# Altium PCB uTCA_MCH_PCB3.pcbdoc (part 1 of 25) (continued)
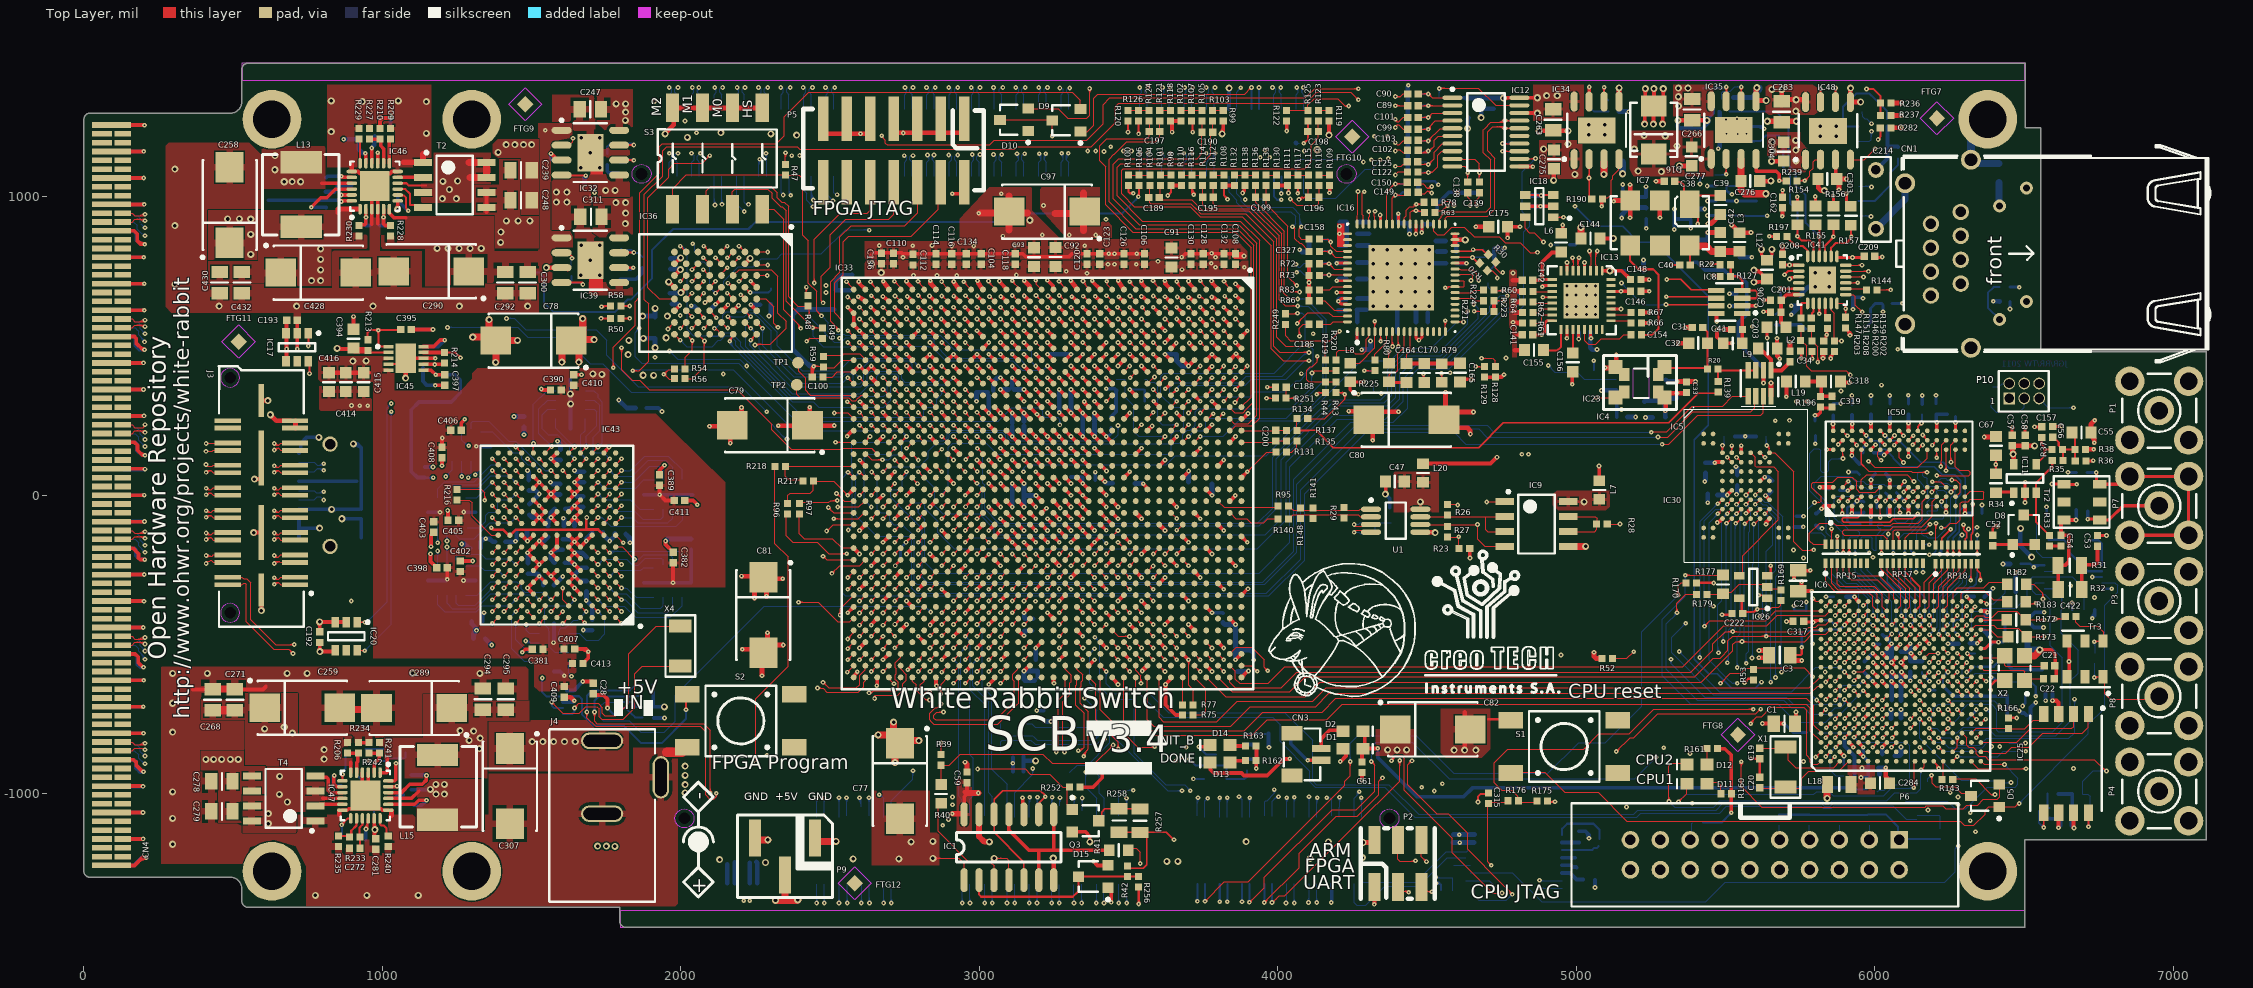
[diagram p0: Top Layer view]
## Design rules (kind name [scope] priority, off if disabled: settings) (continued)
RoomDefinition SCB_MAIN [InComponentClass('SCB_MAIN')] p22 off: confinementstyle=ConfineIn formatcopy=TRUE lockcomponents=FALSE outline -1500,-3020 500,-3020 500,-2020 -1500,-2020
RoutingVias RoutingVias_capas_internas [OnLayer('MidLayer1') or OnLayer('MidLayer2') or OnLayer('MidLayer3') or OnLayer('MidLayer4')] p1: holewidth=5.91 width=15.75 viastyle="Through Hole" minholewidth=5.91 minwidth=15.75 maxholewidth=11.81 maxwidth=23.62
RoutingVias [All] p2: holewidth=5.91 width=15.75 viastyle="Through Hole" minholewidth=5.91 minwidth=15.75 maxholewidth=11.81 maxwidth=23.62
SilkToSilkClearance [not incomponent('logo1') and incomponent('*')] p1: silktosilkclearance=1
SilkscreenOverComponentPads [All] p1: minsilkscreentomaskgap=3
SolderMaskExpansion [All] p1: expansion=2.76
ViasUnderSMD ViasUnderSMD_allow [InComponent('IC13') or  InComponent('IC41') or   InComponent('IC16') or   InComponent('IC48') or   InComponent('IC35') or   InComponent('IC34') or   InComponent('IC32') or    InComponent('IC39')] p1: allowed=TRUE
ViasUnderSMD [All] p2: allowed=FALSE
Width Width_GTX_DIFF [InDifferentialPairClass('GTX_DIFF')] p1: maxlimit=3.94 minlimit=3.54 preferedwidth=3.54 toplayer_minwidth=3.94 toplayer_prefwidth=3.94 midlayer1_maxwidth=3.54 midlayer2_maxwidth=3.54 midlayer3_maxwidth=3.54 midlayer4_maxwidth=3.54 bottomlayer_minwidth=3.94 bottomlayer_prefwidth=3.94 minimp=50.000000 maximp=50.000000 favimp=50.000000
Width Width_1 [InDifferentialPair('EXTREFIN_10M')] p2: maxlimit=10.63 minlimit=10.63 preferedwidth=10.63 minimp=50.000000 maximp=50.000000 favimp=50.000000
Width Width_Diff [(InDifferentialPairClass('All Differential Pairs'))] p3: maxlimit=3.94 minlimit=3.94 preferedwidth=3.94 minimp=50.000000 maximp=50.000000 favimp=50.000000
Width Width_PWRs&GNDs [InNetClass('PWRs&GNDs')] p4: maxlimit=39.37 minlimit=11.81 preferedwidth=12.6 toplayer_prefwidth=15.75 midlayer1_minwidth=12.6 midlayer1_maxwidth=12.6 midlayer2_minwidth=12.6 midlayer2_maxwidth=12.6 midlayer3_minwidth=12.6 midlayer3_maxwidth=12.6 midlayer4_minwidth=12.6 midlayer4_maxwidth=12.6 bottomlayer_prefwidth=15.75 minimp=50.000000 maximp=50.000000 favimp=50.000000
Width [All] p5: maxlimit=78.74 minlimit=3.94 preferedwidth=3.94 toplayer_prefwidth=6.89 bottomlayer_prefwidth=6.89 minimp=50.000000 maximp=50.000000 favimp=50.000000
18 further rules are at their usual default settings.

## Classes and differential pairs
component class U_QDRII_mem: IC43 RP2 RP4 RP6 RP7 RP10 RP12 RP14
component class U_FPGA_QDRII: R96 R97
component class U_SMI_Link_7-12: IC33 J3
differential pair class clocks_QDR2: Q2_CQ Q2_K
net class Q2_Q[35..0]: Q2_Q0 Q2_Q1 Q2_Q2 Q2_Q3 Q2_Q4 Q2_Q5 Q2_Q6 Q2_Q7 Q2_Q8 Q2_Q9 Q2_Q10 Q2_Q11 Q2_Q12 Q2_Q13 Q2_Q14 Q2_Q15 Q2_Q16 Q2_Q17 Q2_Q18 Q2_Q19 Q2_Q20 Q2_Q21 Q2_Q22 Q2_Q23 Q2_Q24 Q2_Q25 Q2_Q26 Q2_Q27 Q2_Q28 Q2_Q29 Q2_Q30 Q2_Q31 Q2_Q32 Q2_Q33 Q2_Q34 Q2_Q35
net class Q2_D[35..0]: Q2_D0 Q2_D1 Q2_D2 Q2_D3 Q2_D4 Q2_D5 Q2_D6 Q2_D7 Q2_D8 Q2_D9 Q2_D10 Q2_D11 Q2_D12 Q2_D13 Q2_D14 Q2_D15 Q2_D16 Q2_D17 Q2_D18 Q2_D19 Q2_D20 Q2_D21 Q2_D22 Q2_D23 Q2_D24 Q2_D25 Q2_D26 Q2_D27 Q2_D28 Q2_D29 Q2_D30 Q2_D31 Q2_D32 Q2_D33 Q2_D34 Q2_D35
net class Q2_BWS[3..0]: Q2_BWS0 Q2_BWS1 Q2_BWS2 Q2_BWS3
net class Q2_A[18..0]: Q2_A0 Q2_A1 Q2_A2 Q2_A3 Q2_A4 Q2_A5 Q2_A6 Q2_A7 Q2_A8 Q2_A9 Q2_A10 Q2_A11 Q2_A12 Q2_A13 Q2_A14 Q2_A15 Q2_A16 Q2_A17 Q2_A18
net class FPGA_GPIO[0..39]: FPGA_GPIO0 FPGA_GPIO1 FPGA_GPIO2 FPGA_GPIO3 FPGA_GPIO4 FPGA_GPIO5 FPGA_GPIO6 FPGA_GPIO7 FPGA_GPIO8 FPGA_GPIO9 FPGA_GPIO10 FPGA_GPIO11 FPGA_GPIO12 FPGA_GPIO13 FPGA_GPIO14 FPGA_GPIO15 FPGA_GPIO16 FPGA_GPIO17 FPGA_GPIO18 FPGA_GPIO19 FPGA_GPIO20 FPGA_GPIO21 FPGA_GPIO22 FPGA_GPIO23 FPGA_GPIO24 FPGA_GPIO25 FPGA_GPIO26 FPGA_GPIO27 FPGA_GPIO28 FPGA_GPIO29 FPGA_GPIO30 FPGA_GPIO31 FPGA_GPIO32 FPGA_GPIO33 FPGA_GPIO34 FPGA_GPIO35 FPGA_GPIO36 FPGA_GPIO37 FPGA_GPIO38 FPGA_GPIO39
component class U_uTCA_Tongue3: CN4
component class U_RS232_and_USB_ports: C240 C241 C242 C243 C244 C314 C315 IC31 R172 R173 R175 R176 R182 R183 R184 R193 R194
component class U_QDRII_power: C329 C330 C331 C332 C333 C334 C335 C336 C337 C338 C339 C340 C341 C342 C343 C344 C345 C346 C347 C348 C349 C350 C351 C352 C381 C382 C389 C390 C393 C394 C395 C396 C397 C398 C402 C403 C405 C406 C407 C408 C409 C410 C411 C412 C413 C414 C415 C416 C417 C420 C421 IC45 R212 R213 R214 R216
component class U_Power_Supply: C207 C235 C236 C237 C238 C239 C245 C246 C247 C248 C249 C250 C251 C252 C253 C254 C255 C256 C257 C258 C259 C260 C261 C262 C263 C264 C265 C266 C267 C268 C269 C270 C271 C272 C273 C274 C275 C276 C277 C278 C279 C280 C281 C282 C283 C287 C288 C289 C290 C291 C292 C293 C294 C295 C296 C297 C300 C301 C302 C303 C304 C305 C306 C307 C310 C311 C312 C322 C323 C427 C428 C429 C430 C431 C432 D3 D4 D16 IC32 IC34 IC35 IC38 IC39 IC44 IC46 IC47 IC48 L11 L13 L14 L15 R178 R180 R181 R185 R186 R188 R189 R190 R191 R204 R205 R206 R207 R209 R210 R211 R227 R228 R229 R230 R231 R232 R233 R234 R235 R236 R237 R238 R239 R240 R241 R242 R243 T2 T3 T4 T5
component class U_FPGA_POWER_DGND: C69 C70 C71 C72 C73 C74 C75 C76 C77 C78 C79 C80 C81 C82 C83 C84 C85 C86 C87 C88 L4 L5
component class U_SCB_PLLs: C89 C90 C99 C101 C102 C103 C122 C125 C138 C139 C140 C141 C142 C143 C144 C146 C148 C149 C150 C151 C152 C153 C154 C155 C156 C158 C159 C160 C161 C163 C164 C165 C167 C168 C169 C170 C171 C172 C173 C174 C175 C176 C177 C178 C180 C181 C183 C184 C185 C186 C187 C188 C309 C327 C328 C422 IC12 IC13 IC16 L6 L8 R30 R60 R61 R62 R63 R64 R65 R66 R67 R68 R69 R70 R71 R72 R73 R76 R78 R79 R80 R81 R82 R83 R84 R85 R86 R87 R88 R89 R90 R91 R92 R93 R94 R219 R220 R221 R222 R223 R224 R225 R226 R245 R246 R247 R248 R249 R255 Tr3
component class U_FPGA_GTX: C91 C92 C93 C94 C95 C96 C97 C98 C100 C104 C105 C106 C107 C108 C109 C110 C111 C112 C113 C114 C115 C116 C117 C118 C119 C120 C121 C123 C124 C126 C127 C128 C129 C130 C131 C132 C133 C134 C135 C136 C137 R59
component class U_CPU_EBI1_FPGA_Memory: C219 C220 C221 C222 C298 C299 IC6 IC25 IC26 IC30 P10 R1 R4 R75 R77 R164 R165 R166 R167 R168 R169 R170 R177 R179 R250
component class U_SCB_CLKs: C29 C30 C31 C32 C33 C34 C35 C36 C37 C38 C39 C40 C41 C42 C43 C44 C45 C46 C47 C52 C53 C54 C55 C56 C57 C58 C59 C67 C157 D8 D15 IC1 IC4 IC5 IC7 IC8 IC9 IC11 IC21 IC22 IC23 IC28 L2 L3 L7 L9 L20 Q3 R20 R21 R22 R23 R24 R25 R26 R27 R28 R29 R31 R32 R33 R34 R35 R36 R37 R38 R39 R40 R41 R42 R145 R152 R153 R252 R256 R257 R258 Tr2 U1
component class "U_External WatchDogs": C27 C28 IC2 IC3 R12 R13 R14 R15 R16 R17 R18 R19 S1 S2 X3 X4
component class U_CPU_DDR2: C223 C224 C225 C226 C227 C228 C229 C230 C231 C232 C233 C234 C316 C317 C318 C319 C320 C321 C324 C325 C326 IC50 L19 R195 R196 R198 RP15 RP16 RP17 RP18 RP19 RP20
component class U_CPU_JTAG_Power_PLL: C1 C2 C3 C4 C5 C6 C7 C8 C9 C10 C11 C12 C13 C14 C15 C16 C17 C18 C19 C20 C21 C22 C23 C24 C25 C26 C60 C61 C217 C218 C284 C285 C286 CN3 D1 D2 D5 D6 L1 L16 L17 L18 R2 R3 R5 R6 R7 R8 R9 R10 R11 R158 X1 X2
component class U_CPU_100M_Ethernet: C68 C162 C166 C201 C202 C203 C204 C205 C206 C208 C209 C210 C211 C212 C213 C214 C215 C216 IC40 IC41 L10 L12 R142 R143 R144 R146 R147 R151 R154 R155 R156 R157 R159 R171 R174 R187 R192 R197 R199 R200 R202 R203 R208 R253 R254 Tr1
component class U_Connectors: CN1 CN2 J1 J2 J4 P1 P2 P3 P4 P5 P6 P7 P8 P9
differential pair class clocks_QDR1: Q1_CQ Q1_K
differential pair class clocks_QDR: Q1_CQ Q1_K Q2_CQ Q2_K
net class PB[0..7]: PB0 PB1 PB2 PB3 PB4 PB5 PB6 PB7
net class PE[0..15]: PE0 PE1 PE2 PE3 PE4 PE5 PE6 PE7 PE8 PE9 PE10 PE11 PE12 PE13 PE14 PE15
component class U_CPU_IO_Ports: D11 D12 D13 D14 R160 R161 R162 R163
component class U_FPGA_Configuration: C62 C63 C64 C65 C66 D9 D10 IC36 Q1 Q2 R43 R44 R45 R46 R47 R48 R49 R50 R51 R52 R53 R54 R55 R56 R57 R58 S3 TP1 TP2
component class U_FPGA_System_Monitor: C189 C190 C191 C192 C193 C194 C195 C196 C197 C198 C199 C200 IC17 IC18 IC19 IC20 R98 R99 R100 R101 R102 R103 R104 R105 R106 R107 R108 R109 R110 R111 R112 R113 R114 R115 R116 R117 R118 R119 R120 R121 R122 R123 R124 R125 R126 R127 R128 R129 R130 R131 R132 R133 R134 R135 R136 R137 R138 R139 R251
differential pair class GTX_DIFF: CLK0 MGTREFCLK112 MGTREFCLK113 MGTREFCLK114 MGTREFCLK115 MGTREFCLK116 MGTRX112_0 MGTRX112_1 MGTRX112_2 MGTRX112_3 MGTRX113_0 MGTRX113_1 MGTRX113_2 MGTRX113_3 MGTRX114_0 MGTRX114_1 MGTRX114_2 MGTRX114_3 MGTRX115_0 MGTRX115_1 MGTRX115_2 MGTRX115_3 MGTRX116_0 MGTRX116_1 MGTRX116_2 MGTRX116_3 MGTTX112_0 MGTTX112_1 MGTTX112_2 MGTTX112_3 MGTTX113_0 MGTTX113_1 MGTTX113_2 MGTTX113_3 MGTTX114_0 MGTTX114_1 MGTTX114_2 MGTTX114_3 MGTTX115_0 MGTTX115_1 MGTTX115_2 MGTTX115_3 MGTTX116_0 MGTTX116_1 MGTTX116_2 MGTTX116_3 SERDES_CLK SYNC_CLK
component class SCB_MAIN: FTG1 FTG2 FTG3 FTG4 FTG5 FTG6 FTG7 FTG8 FTG9 FTG10 FTG11 FTG12
component class U_Peripherals_Control: R95 R140 R141 R148 R217 R218
differential pair PLL_CLKS.REF_CLK: +PLL_CLKS.REF_CLK_P -PLL_CLKS.REF_CLK_N
differential pair AUX_CLK: +AUX_CLK_P -AUX_CLK_N
differential pair MINIBACKPLANE_CLK: +MINIBACKPLANE_CLK_P -MINIBACKPLANE_CLK_N
differential pair UTCA_CLK.UTCA_TONGUE2_CLK2: +UTCA_CLK.UTCA_TONGUE2_CLK2_P -UTCA_CLK.UTCA_TONGUE2_CLK2_N
differential pair UTCA_CLK.UTCA_TONGUE2_CLK1: +UTCA_CLK.UTCA_TONGUE2_CLK1_P -UTCA_CLK.UTCA_TONGUE2_CLK1_N
differential pair TXFD12: +TXFD12_P -TXFD12_N
differential pair TXFD11: +TXFD11_P -TXFD11_N
differential pair TXFD10: +TXFD10_P -TXFD10_N
differential pair TXFD9: +FREE_MRCC_P -FREE_MRCC_N
differential pair TXFD8: +TXFD9_P -TXFD9_N
differential pair TXFD7: +TXFD8_P -TXFD8_N
differential pair TXFD6: +TXFD6_P -TXFD6_N
differential pair TXFD5: +TXFD5_P -TXFD5_N
differential pair TXFD4: +TXFD4_P -TXFD4_N
differential pair TXFD3: +TXFD3_P -TXFD3_N
differential pair TXFD2: +TXFD2_P -TXFD2_N
differential pair TXFD1: +TXFD1_P -TXFD1_N
differential pair RXFD12: +RXFD12_P -RXFD12_N
differential pair RXFD11: +RXFD11_P -RXFD11_N
differential pair RXFD10: +RXFD10_P -RXFD10_N
differential pair RXFD8: +RXFD8_P -RXFD8_N
differential pair RXFD7: +RXFD7_P -RXFD7_N
differential pair RXFD6: +RXFD6_P -RXFD6_N
differential pair RXFD5: +RXFD5_P -RXFD5_N
differential pair RXFD4: +RXFD4_P -RXFD4_N
differential pair RXFD3: +RXFD3_P -RXFD3_N
differential pair RXFD2: +RXFD2_P -RXFD2_N
differential pair RXFD1: +RXFD1_P -RXFD1_N
differential pair Q2_K: +Q2_K_P -Q2_K_N
differential pair Q2_CQ: +Q2_CQ_P -Q2_CQ_N
differential pair MGTTX116_3: +MGTTX116_3_P -MGTTX116_3_N
differential pair MGTTX116_2: +MGTTX116_2_P -MGTTX116_2_N
differential pair MGTTX116_1: +MGTTX116_1_P -MGTTX116_1_N
differential pair MGTTX116_0: +MGTTX116_0_P -MGTTX116_0_N
differential pair MGTTX115_3: +MGTTX115_3_P -MGTTX115_3_N
differential pair MGTTX115_2: +MGTTX115_2_P -MGTTX115_2_N
differential pair MGTTX115_1: +MGTTX115_1_P -MGTTX115_1_N
differential pair MGTTX115_0: +MGTTX115_0_P -MGTTX115_0_N
differential pair MGTTX114_3: +MGTTX114_3_P -MGTTX114_3_N
differential pair MGTTX114_2: +MGTTX114_2_P -MGTTX114_2_N
differential pair MGTTX114_1: +MGTTX114_1_P -MGTTX114_1_N
differential pair MGTTX114_0: +MGTTX114_0_P -MGTTX114_0_N
differential pair MGTTX113_3: +MGTTX113_3_P -MGTTX113_3_N
differential pair MGTTX113_2: +MGTTX113_2_P -MGTTX113_2_N
differential pair MGTTX113_1: +MGTTX113_1_P -MGTTX113_1_N
differential pair MGTTX113_0: +MGTTX113_0_P -MGTTX113_0_N
differential pair MGTTX112_3: +MGTTX112_3_P -MGTTX112_3_N
differential pair MGTTX112_2: +MGTTX112_2_P -MGTTX112_2_N
differential pair MGTTX112_1: +MGTTX112_1_P -MGTTX112_1_N
differential pair MGTTX112_0: +MGTTX112_0_P -MGTTX112_0_N
differential pair MGTRX116_3: +MGTRX116_3_P -MGTRX116_3_N
differential pair MGTRX116_2: +MGTRX116_2_P -MGTRX116_2_N
differential pair MGTRX116_1: +MGTRX116_1_P -MGTRX116_1_N
differential pair MGTRX116_0: +MGTRX116_0_P -MGTRX116_0_N
differential pair MGTRX115_3: +MGTRX115_3_P -MGTRX115_3_N
differential pair MGTRX115_2: +MGTRX115_2_P -MGTRX115_2_N
differential pair MGTRX115_1: +MGTRX115_1_P -MGTRX115_1_N
differential pair MGTRX115_0: +MGTRX115_0_P -MGTRX115_0_N
differential pair MGTRX114_3: +MGTRX114_3_P -MGTRX114_3_N
differential pair MGTRX114_2: +MGTRX114_2_P -MGTRX114_2_N
differential pair MGTRX114_1: +MGTRX114_1_P -MGTRX114_1_N
differential pair MGTRX114_0: +MGTRX114_0_P -MGTRX114_0_N
differential pair MGTRX113_3: +MGTRX113_3_P -MGTRX113_3_N
differential pair MGTRX113_2: +MGTRX113_2_P -MGTRX113_2_N
differential pair MGTRX113_1: +MGTRX113_1_P -MGTRX113_1_N
differential pair MGTRX113_0: +MGTRX113_0_P -MGTRX113_0_N
differential pair MGTRX112_3: +MGTRX112_3_P -MGTRX112_3_N
differential pair MGTRX112_2: +MGTRX112_2_P -MGTRX112_2_N
differential pair MGTRX112_1: +MGTRX112_1_P -MGTRX112_1_N
differential pair MGTRX112_0: +MGTRX112_0_P -MGTRX112_0_N
differential pair FREE_SRCC: +FREE_SRCC_P -FREE_SRCC_N
differential pair FPGA_GCLK: +FPGA_GCLK_P -FPGA_GCLK_N
differential pair FPGA_25MHZ_CLK: +FPGA_25MHZ_CLK_P -FPGA_25MHZ_CLK_N
differential pair ETH_100MHZ.TX: +ETH_100MHZ.TX_P -ETH_100MHZ.TX_N
differential pair ETH_100MHZ.RX: +ETH_100MHZ.RX_P -ETH_100MHZ.RX_N
differential pair DMTDCLK_MB: +DMTDCLK_MB_P -DMTDCLK_MB_N
differential pair DMTD_CLK: +DMTD_CLK_P -DMTD_CLK_N
differential pair MGTREFCLK112: +MGTREFCLK112_P -MGTREFCLK112_N
differential pair MGTREFCLK113: +MGTREFCLK113_P -MGTREFCLK113_N
differential pair MGTREFCLK114: +MGTREFCLK114_P -MGTREFCLK114_N
differential pair MGTREFCLK115: +MGTREFCLK115_P -MGTREFCLK115_N
differential pair MGTREFCLK116: +MGTREFCLK116_P -MGTREFCLK116_N
differential pair DDR_CLK: +DDR_CLK_P -DDR_CLK_N
differential pair EBI0_CLK: +EBI0_CLK_P -EBI0_CLK_N
differential pair USB_HDP: +USB_HDP_P -USB_HDP_N
differential pair USB_DDP: +USB_DDP_P -USB_DDP_N
differential pair EXTREFIN_10M: +EXTREFIN_10M_P -EXTREFIN_10M_N
differential pair CLK0: +CLK0_P -CLK0_N
differential pair CLK1: +CLK1_P -CLK1_N
differential pair RXFD9: +RXFD9_P -RXFD9_N
differential pair TXFD7: +TXFD7_P -TXFD7_N
differential pair SERDES_CLK: +SERDES_CLK_P -SERDES_CLK_N
differential pair SYNC_CLK: +SYNC_CLK_P -SYNC_CLK_N
differential pair SYNC_DATA: +SYNC_DATA_P -SYNC_DATA_N

## Components (designator, comment, footprint, x,y, rotation, side; value= is the part's Value field where it differs from the comment)
C1 "22uF" CC2012-0805 5697.13,-765.53 r0 top
C2 "22uF" CC2012-0805 5742.6,-286.37 r270 top
C3 "22uF" CC2012-0805 5680.79,-535.59 r0 top
C4 "22uF" CC2012-0805 5769.91,-426.36 r270 bottom
C5 "100nF" CC1005-0402 6044.17,-871.59 r0 bottom
C6 "100nF" CC1005-0402 6297.95,-497.5 r180 bottom
C7 "100nF" CC1005-0402 6020.08,-484.41 r90 bottom
C8 "100nF" CC1005-0402 5884.37,-344.39 r180 bottom
C9 "100nF" CC1005-0402 5964.96,-577.1 r270 bottom
C10 "4.7uF" CC1608-0603 6480.12,-545.04 r180 bottom
C11 "100nF" CC1005-0402 6069.61,-687.93 r180 bottom
C12 "100nF" CC1005-0402 6071.06,-746.87 r0 bottom
C13 "100nF" CC1005-0402 6069.61,-654.11 r180 bottom
C14 "100nF" CC1005-0402 5831.42,-436.47 r90 bottom
C15 "100nF" CC1005-0402 6116.37,-576.13 r270 bottom
C16 "100nF" CC1005-0402 6154.73,-576.47 r270 bottom
C17 "100nF" CC1005-0402 6073.39,-524.88 r180 bottom
C18 "100nF" CC1005-0402 5908.7,-901.92 r180 bottom
C19 "15pF" CC1005-0402 5614.5,-865.2 r90 top
C20 "15pF" CC1005-0402 5614.5,-962.41 r270 top
C21 "27pF" CC1005-0402 6584.78,-570.83 r180 top
C22 "27pF" CC1005-0402 6582.81,-614.77 r180 top
C23 "4.7uF" CC1608-0603 6479.72,-489.57 r180 bottom
C24 "100nF" CC1005-0402 6340.47,-552.36 r90 bottom
C25 "100nF" CC1005-0402 6390.43,-517.81 r270 bottom
C26 "100nF" CC1005-0402 6369.02,-435.74 r90 bottom
C27 "100nF" CC1005-0402 6471.46,-229.65 r0 bottom
C28 "100nF" CC1005-0402 1706.69,-647.64 r270 top
C29 "100nF" CC1005-0402 3129.92,-925.2 r0 bottom
C30 "100nF" CC1005-0402 3215.67,-738.98 r270 bottom
C31 "100nF" CC1005-0402 5405.87,562.05 r0 top
C32 "10uF" CC1608-0603 5408.19,509.41 r0 top
C33 "100nF" CC1005-0402 5368.84,361.71 r90 top
C34 "100nF" CC1005-0402 5715.51,464.61 r270 top
C35 "10uF" CC1608-0603 5299.83,357.82 r90 bottom
C36 "10uF" CC1608-0603 5547.09,765.95 r270 bottom
C37 "100nF" CC1005-0402 5553.19,675.24 r180 bottom
C38 "100nF" CC1005-0402 5311.81,1052.01 r0 top
C39 "10uF" CC1608-0603 5482.4,972.36 r90 top
C40 "100nF" CC1005-0402 5363.62,771.14 r180 top
C41 "100nF" CC1005-0402 5538.5,555.16 r0 top
C42 "10uF" CC1608-0603 5482.13,848.35 r90 top
C43 "10nF" CC1005-0402 4509,-75.14 r270 bottom
C44 "100nF" CC1005-0402 5026.95,-88.93 r90 bottom
C45 "100nF" CC1005-0402 4463.25,-74.8 r90 bottom
C46 "10uF" CC1608-0603 4980.56,-88.93 r90 bottom
C47 "10uF" CC1608-0603 4392.12,45.89 r0 top
C52 "100nF" CC1005-0402 6394.76,-151.89 r270 top
C53 "47nF" CC1005-0402 6745.55,-152.87 r90 top
C54 "47nF" CC1005-0402 6623.35,-152.17 r270 top
C55 "10uF" CC1608-0603 6692.36,210.12 r180 top
C56 "100nF" CC1005-0402 6596.42,212.44 r270 top
C57 "100nF" CC1005-0402 6459.94,183.43 r270 top
C58 "10nF" CC1005-0402 6503.72,183.7 r270 top
C59 "100nF" CC1005-0402 2958.78,-945.16 r270 top
C60 "100nF" CC1005-0402 5998.4,-949 r180 bottom
C61 "1uF" CC1005-0402 4281.5,-911.42 r90 top
C62 "100nF" CC1005-0402 2283.46,639.76 r180 bottom
C63 "100nF" CC1005-0402 1964.57,775.59 r270 bottom
C64 "10uF" CC1608-0603 1913.39,559.06 r90 bottom
C65 "100nF" CC1005-0402 1962.6,659.45 r90 bottom
C66 "100nF" CC1005-0402 2080.38,619.86 r0 bottom
C67 "o.c." CC1608-0603 6406.1,165.71 r270 top
C68 "4.7uF" CC1608-0603 5641.69,750.94 r90 bottom
C69 "470nF" CC1005-0402 3129.49,1.46 r0 bottom
C70 "470nF" CC1005-0402 3130.47,240.55 r0 bottom
C71 "4.7uF" CC1608-0603 3363.63,238.34 r180 bottom
C72 "4.7uF" CC1608-0603 3287.4,318.54 r180 bottom
C73 "470nF" CC1005-0402 3816.5,-411.48 r90 bottom
C74 "4.7uF" CC1608-0603 3484.57,42.44 r0 bottom
C75 "22uF" CC2012-0805 3739.53,40.35 r180 bottom
C76 "22uF" CC2012-0805 3860.55,-554.13 r90 bottom
C77 "330uF" D 2733.82,-957.2 r270 top
C78 "330uF" D 1506.42,518.27 r180 top
C79 "330uF" D 2298.11,234.65 r180 top
C80 "330uF" D 4430.63,252.68 r0 top
C81 "330uF" D 2276.3,-401.18 r270 top
C82 "330uF" D 4519,-784.57 r0 top
C83 "470nF" CC1005-0402 3175.91,-432.72 r270 bottom
C84 "4.7uF" CC1608-0603 2755.16,-505.75 r90 bottom
C85 "22uF" CC2012-0805 3197.83,-585.04 r90 bottom
C86 "22uF" CC2012-0805 3069.45,347.72 r0 bottom
C87 "470nF" CC1005-0402 3256.77,-18.43 r180 bottom
C88 "10nF" CC1005-0402 3256.65,15 r180 bottom
C89 "10nF" CC1005-0402 4452.76,1305.12 r0 top
C90 "10nF" CC1005-0402 4452.76,1344.49 r0 top
C91 "4.7uF" CC1608-0603 3643.62,796.65 r270 top
C92 "4.7uF" CC1608-0603 3255.13,798.03 r270 top
C93 "4.7uF" CC1608-0603 3182.62,797.8 r270 top
C94 "4.7uF" CC1608-0603 2520.19,674.88 r270 bottom
C95 "4.7uF" CC1608-0603 3267.64,499.25 r90 bottom
C96 "4.7uF" CC1608-0603 3661.5,509.92 r90 bottom
C97 "330uF" D 3226.55,950.27 r180 top
C98 "330uF" D 3973.46,665.67 r90 bottom
C99 "10nF" CC1005-0402 4452.76,1226.38 r0 top
C100 "100nF" CC1005-0402 2458.19,396.26 r180 top
C101 "10nF" CC1005-0402 4452.76,1265.75 r0 top
C102 "10nF" CC1005-0402 4452.32,1155.65 r0 top
C103 "10nF" CC1005-0402 4452.52,1189.29 r0 top
C104 "220nF" CC1005-0402 3005.91,791.34 r270 top
C105 "220nF" CC1005-0402 3465.39,692.28 r0 bottom
C106 "220nF" CC1005-0402 3553.15,791.34 r270 top
C107 "220nF" CC1005-0402 3621.03,692.49 r0 bottom
C108 "220nF" CC1005-0402 3857.98,791.26 r270 top
C109 "220nF" CC1005-0402 2594.83,691.29 r180 bottom
C110 "220nF" CC1005-0402 2712.03,793.34 r270 top
C111 "220nF" CC1005-0402 2677.17,690.94 r0 bottom
C112 "220nF" CC1005-0402 2777.56,789.29 r270 top
C113 "220nF" CC1005-0402 3228.05,693.33 r180 bottom
C114 "220nF" CC1005-0402 2854.33,791.34 r270 top
C115 "220nF" CC1005-0402 2755.91,690.94 r180 bottom
C116 "220nF" CC1005-0402 2907.48,791.34 r270 top
C117 "220nF" CC1005-0402 2992.17,692.13 r0 bottom
C118 "220nF" CC1005-0402 3120.08,791.34 r270 top
C119 "220nF" CC1005-0402 3542.48,692.7 r180 bottom
C120 "220nF" CC1005-0402 3360.24,791.34 r270 top
C121 "220nF" CC1005-0402 3779.57,690.87 r0 bottom
C122 "10nF" CC1005-0402 4451.63,1082.68 r0 top
C123 "220nF" CC1005-0402 3403.31,791.32 r270 top
C124 "220nF" CC1005-0402 3068.2,691.86 r180 bottom
C125 "10nF" CC1005-0402 4451.33,1117.42 r0 top
C126 "220nF" CC1005-0402 3484.77,791.69 r270 top
C127 "220nF" CC1005-0402 3386,691.86 r180 bottom
C128 "220nF" CC1005-0402 3750,791.34 r270 top
C129 "220nF" CC1005-0402 3703.15,690.87 r180 bottom
C130 "220nF" CC1005-0402 3708.66,791.34 r270 top
C131 "220nF" CC1005-0402 3307.65,692.49 r0 bottom
C132 "220nF" CC1005-0402 3819.67,791.26 r270 top
C133 "220nF" CC1005-0402 3149.61,692.91 r0 bottom
C134 "220nF" CC1005-0402 2955.94,791.34 r270 top
C135 "220nF" CC1005-0402 2913.39,690.94 r180 bottom
C136 "220nF" CC1005-0402 2671.73,793.35 r270 top
C137 "220nF" CC1005-0402 2833.83,692.91 r0 bottom
C138 "10nF" CC1005-0402 4635.83,1031.5 r90 top
C139 "10nF" CC1005-0402 4675.2,1031.5 r90 top
C140 "10uF" CC1608-0603 5000.95,489.28 r0 bottom
C141 "100nF" CC1005-0402 4836.61,537.4 r0 top
C142 "100nF" CC1005-0402 4836.61,720.47 r0 top
C143 "100nF" CC1005-0402 5028.93,548.34 r180 bottom
C144 "10uF" CC1608-0603 5047.24,860.24 r180 top
C146 "100nF" CC1005-0402 5198.82,683.07 r180 top
C148 "100nF" CC1005-0402 5198.82,722.44 r180 top
C149 "10nF" CC1005-0402 4452.16,1014.94 r180 top
C150 "10nF" CC1005-0402 4451.04,1048.23 r180 top
C151 "10uF" CC1608-0603 4629.92,1299.21 r90 bottom
C152 "10nF" CC1005-0402 4122.05,777.56 r0 bottom
C153 "10nF" CC1005-0402 4122.24,738.88 r0 bottom
C154 "10nF" CC1005-0402 5200.79,537.4 r0 top
C155 "10uF" CC1608-0603 4858.27,486.22 r180 top
C156 "10uF" CC1608-0603 4987.76,444.99 r270 top
C157 "10nF" CC1005-0402 6559.06,211.54 r90 top
C158 "10nF" CC1005-0402 4122.05,858.27 r0 top
C159 "100nF" CC1005-0402 4722.44,1312.99 r90 bottom
C160 "100nF" CC1005-0402 4381.89,545.28 r0 bottom
C161 "10uF" CC1608-0603 4309.06,519.68 r90 bottom
C162 "100nF" CC1005-0402 5690.87,980.59 r270 top
C163 "2.7nF" CC1005-0402 4381.89,582.68 r180 bottom
C164 "33pF" CC1608-0603 4431.1,409.45 r270 top
C165 "220nF" CC1608-0603 4610.42,410.57 r90 top
C166 "10pF" CC1005-0402 5501.06,1285.12 r0 bottom
C167 "10uF" CC1608-0603 4479.32,910.65 r0 bottom
C168 "220nF" CC1608-0603 4512.37,378.79 r180 bottom
C169 "100nF" CC1005-0402 4403.54,893.7 r90 bottom
C170 "68pF" CC1608-0603 4490.16,409.45 r270 top
C171 "100nF" CC1005-0402 4580.71,777.56 r0 bottom
C172 "100nF" CC1005-0402 4248.03,779.53 r180 bottom
C173 "100nF" CC1005-0402 4248.03,915.35 r180 bottom
C174 "100nF" CC1005-0402 4248.15,657.56 r180 bottom
C175 "10uF" CC1608-0603 4738.19,899.61 r0 top
C176 "100nF" CC1005-0402 4265.75,562.99 r270 bottom
C177 "100nF" CC1005-0402 4580.51,855.71 r0 bottom
C178 "100nF" CC1005-0402 4580.31,815.6 r0 bottom
C180 "100nF" CC1005-0402 4248.03,836.61 r180 bottom
C181 "100nF" CC1005-0402 4248.03,875.98 r180 bottom
C183 "100nF" CC1005-0402 4248.03,724.41 r180 bottom
C184 "100nF" CC1005-0402 4248.15,618.66 r180 bottom
C185 "10nF" CC1005-0402 4122.05,572.83 r0 top
C186 "100nF" CC1005-0402 4501.97,562.99 r270 bottom
C187 "100nF" CC1005-0402 4462.6,562.99 r270 bottom
C188 "o.c." CC1005-0402 4009.97,362.23 r180 top
C189 "10nF" CC1005-0402 3584.94,997.54 r180 top
C190 "10nF" CC1005-0402 3763.78,1216.54 r180 top
C191 "100nF" CC1005-0402 4850.39,986.22 r270 bottom
C192 "100nF" CC1005-0402 790.35,-475.39 r90 top
C193 "100nF" CC1005-0402 696.85,586.38 r0 top
C194 "100nF" CC1005-0402 3437.66,244.14 r270 bottom
C195 "10nF" CC1005-0402 3765.75,998.03 r180 top
C196 "10nF" CC1005-0402 4120.08,998.03 r180 top
C197 "10nF" CC1005-0402 3586.61,1218.5 r180 top
C198 "10nF" CC1005-0402 4118.11,1218.5 r180 top
C199 "10nF" CC1005-0402 3942.91,998.03 r180 top
C200 "10nF" CC1005-0402 3993.11,199.8 r90 top
C201 "100nF" CC1005-0402 5668.31,653.58 r0 top
C202 "10pF" CC1005-0402 5501.06,1186.08 r0 bottom
C203 "10uF" CC1608-0603 5670.67,562.44 r0 top
C204 "10pF" CC1005-0402 5485.48,1040.48 r0 bottom
C205 "10pF" CC1005-0402 5483.02,933.57 r0 bottom
C206 "2.7nF" CC1005-0402 5668.03,613.27 r0 top
C207 "100nF" CC1005-0402 1051.18,1025.59 r90 bottom
C208 "100nF" CC1005-0402 5690.63,789.8 r90 top
C209 "100nF" CC1005-0402 5981.72,800.66 r0 top
C210 "100nF" CC1005-0402 5814.06,650.08 r270 bottom
C211 "10uF" CC1608-0603 5895.63,663.23 r0 bottom
C212 "100nF" CC1005-0402 5689.64,789.84 r90 bottom
C213 "100nF" CC1005-0402 5501.06,1235.87 r180 bottom
C214 "100nF" CAPR500-250X720X650 6003.62,991.42 r270 top
C215 "100nF" CC1005-0402 6039.69,642.91 r0 bottom
C216 "100nF" CC1005-0402 5483.73,979.31 r180 bottom
C217 "100nF" CC1005-0402 6349.68,-338.05 r180 bottom
C218 "4.7uF" CC1608-0603 6472.76,-668.74 r180 bottom
C219 "100nF" CC1005-0402 6639.82,-1084.15 r0 bottom
C220 "100nF" CC1005-0402 5457.89,4.83 r180 bottom
C221 "100nF" CC1005-0402 5538.6,50.1 r90 bottom
C222 "100nF" CC1005-0402 5539.33,-396.11 r0 top
C223 "100nF" CC1005-0402 5798.01,-82.17 r270 bottom
C224 "100nF" CC1005-0402 6205.5,288.83 r90 bottom
C225 "100nF" CC1005-0402 5861.75,21.5 r180 bottom
C226 "100nF" CC1005-0402 6050.38,287.77 r90 bottom
C227 "100nF" CC1005-0402 5947.97,89.33 r270 bottom
C228 "100nF" CC1005-0402 6019.17,72.07 r180 bottom
C229 "100nF" CC1005-0402 5986.68,288.36 r90 bottom
C230 "100nF" CC1005-0402 6025.08,-43.44 r180 bottom
C231 "100nF" CC1005-0402 6259.88,271.2 r0 bottom
C232 "100nF" CC1005-0402 6341.65,-61.32 r0 bottom
C233 "100nF" CC1005-0402 5960.71,-39.94 r90 bottom
C234 "100nF" CC1005-0402 5860.65,285.57 r90 bottom
C235 "1uF" CC1005-0402 5380.32,941.31 r270 bottom
C236 "1uF" CC1005-0402 5279.41,260.96 r0 bottom
C237 "1uF" CC1005-0402 1027.56,1210.63 r90 bottom
C238 "4.7uF" CC1608-0603 974.41,1236.22 r90 bottom
C239 "22uF 16V" CC2012-0805 1464.57,1088.58 r0 top
C240 "100nF" CC1005-0402 5007.32,-1229.95 r270 bottom
C241 "100nF" CC1005-0402 5044.72,-1289.01 r180 bottom
C242 "100nF" CC1005-0402 5007.32,-1143.34 r270 bottom
C243 "100nF" CC1005-0402 5078.54,-1164.17 r270 bottom
C244 "100nF" CC1005-0402 4583.6,-1150.46 r270 bottom
C245 "2.7nF" CC1005-0402 1793.31,1096.46 r90 bottom
C246 "4.7uF" CC1608-0603 1696.85,1293.31 r0 bottom
C247 "22uF" CC2012-0805 1696.85,1293.31 r0 top
C248 "22uF 16V" CC2012-0805 1464.57,988.19 r0 top
C249 "220uF 10V" D 1462.6,970.47 r90 bottom
C250 "1uF" CC1005-0402 5176.62,981.73 r90 bottom
C251 "1uF" CC1005-0402 921.26,1210.63 r270 bottom
C252 "1uF" CC1005-0402 5153.43,258.92 r180 bottom
C253 "100nF" CC1005-0402 897.64,1025.59 r90 bottom
C254 "22uF 16V" CC2012-0805 482.28,988.19 r180 bottom
C255 "4.7uF" CC1608-0603 1600.39,1092.52 r90 bottom
C256 "4.7uF" CC1608-0603 1600.39,1251.97 r90 bottom
C257 "22uF 16V" CC2012-0805 482.28,1088.58 r180 bottom
C258 "220uF 10V" D 488.19,972.44 r90 top
C259 "220uF" D 731.65,-711.61 r0 top
C260 "220uF" D 748.03,-714.57 r0 bottom
C261 "100nF" CC1005-0402 866.14,-996.06 r270 bottom
C262 "2.7nF" CC1005-0402 5124.02,1322.83 r180 bottom
C263 "22uF" CC2012-0805 4922.17,1258.03 r90 top
C264 "4.7uF" CC1608-0603 4929.13,1250.59 r90 bottom
C265 "2.7nF" CC1005-0402 5505.6,1326.83 r180 bottom
C266 "22uF" CC2012-0805 5387.48,1292.2 r90 top
C267 "4.7uF" CC1608-0603 5387.58,1250.7 r90 bottom
C268 "22uF" CC2012-0805 431.1,-685.04 r90 top
C269 "22uF" CC2012-0805 505.91,-685.04 r270 bottom
C270 "22uF" CC2012-0805 431.1,-685.04 r90 bottom
C271 "22uF" CC2012-0805 505.91,-685.04 r90 top
C272 "1uF" CC1005-0402 907.43,-1182.55 r0 top
C273 "4.7uF" CC1608-0603 946.9,-1192.62 r270 bottom
C274 "4.7uF" CC1608-0603 5121.98,1114.39 r180 bottom
C275 "4.7uF" CC1608-0603 4925.39,1125.35 r270 top
C276 "4.7uF" CC1608-0603 5583.03,1052.4 r180 top
C277 "4.7uF" CC1608-0603 5386.3,1135.59 r270 top
C278 "22uF 16V" CC2012-0805 462.6,-958.66 r180 top
C279 "22uF 16V" CC2012-0805 462.6,-1059.06 r180 top
C280 "220uF 10V" D 450.79,-938.98 r270 bottom
C281 "1uF" CC1005-0402 978.1,-1168.2 r90 top
C282 "2.7nF" CC1005-0402 6036.06,1230.29 r180 top
C283 "22uF" CC2012-0805 5687.6,1284.56 r90 top
C284 "4.7uF" CC1608-0603 6017.3,-964.53 r180 top
C285 "100nF" CC1005-0402 6222.21,-653.43 r180 bottom
C286 "100nF" CC1005-0402 5995.87,-913.32 r0 bottom
C287 "4.7uF" CC1608-0603 5193.07,751.42 r180 bottom
C288 "220uF" D 1133.86,-716.54 r180 bottom
C289 "220uF" D 1106.3,-712.6 r180 top
C290 "220uF" D 1163.39,750 r180 top
C291 "220uF" D 1163.39,744.09 r180 bottom
C292 "22uF" CC2012-0805 1411.42,712.6 r270 top
C293 "100nF" CC1005-0402 1019.69,-996.06 r270 bottom
C294 "22uF" CC2012-0805 1336.61,-683.07 r90 top
C295 "22uF" CC2012-0805 1413.39,-683.07 r270 top
C296 "22uF" CC2012-0805 1464.57,-685.04 r90 bottom
C297 "22uF" CC2012-0805 1411.42,712.6 r90 bottom
C298 "100nF" CC1005-0402 5432.3,93.41 r270 bottom
C299 "100nF" CC1005-0402 5657.87,30.47 r90 bottom
C300 "22uF" CC2012-0805 1486.22,712.6 r270 top
C301 "22uF" CC2012-0805 1486.22,712.6 r270 bottom
C302 "22uF" CC2012-0805 1364.17,-683.07 r90 bottom
C303 "4.7uF" CC1608-0603 5840.63,1059.8 r0 top
C304 "4.7uF" CC1608-0603 5694.71,1150.9 r270 top
C305 "22uF 16V" CC2012-0805 1425.2,-1061.02 r0 bottom
C306 "22uF 16V" CC2012-0805 1425.2,-962.6 r0 bottom
C307 "220uF 10V" D 1427.17,-974.41 r270 top
C309 "100nF" CC1005-0402 4681.1,1312.99 r90 bottom
C310 "2.7nF" CC1005-0402 1795.28,736.22 r90 bottom
C311 "22uF" CC2012-0805 1698.82,933.07 r0 top
C312 "4.7uF" CC1608-0603 1698.82,931.1 r0 bottom
C314 "10pF" CC1005-0402 6454.72,-286.26 r180 bottom
C315 "1uF" CC1005-0402 4705.76,-1014.92 r90 top
C316 "100nF" CC1005-0402 5732.11,-89.89 r270 bottom
C317 "100nF" CC1005-0402 5743.66,-421.93 r180 top
C318 "4.7uF" CC1608-0603 5853.17,380.69 r180 top
C319 "100nF" CC1005-0402 5856.3,313.68 r270 top
C320 "100nF" CC1005-0402 6054.11,11.09 r180 bottom
C321 "100nF" CC1005-0402 5978.43,142.23 r180 bottom
C322 "4.7uF" CC1608-0603 1584.89,729.77 r90 bottom
C323 "4.7uF" CC1608-0603 1602.36,895.67 r90 bottom
C324 "100nF" CC1005-0402 5968.5,-96.87 r180 bottom
C325 "100nF" CC1005-0402 6112.74,288.48 r90 bottom
C326 "100nF" CC1005-0402 5923.69,286.39 r90 bottom
C327 "10nF" CC1005-0402 4122.05,816.93 r0 top
C328 "100nF" CC1005-0402 4959.91,838.61 r0 bottom
C329 "1uF" CC1005-0402 1318.95,-423.19 r0 bottom
C330 "1uF" CC1005-0402 1324.09,-480.32 r0 bottom
C331 "1uF" CC1005-0402 1474.41,246.06 r270 bottom
C332 "1uF" CC1005-0402 1797.24,-127.95 r0 bottom
C333 "22nF" CC1005-0402 1720.47,-128.94 r180 bottom
C334 "22nF" CC1005-0402 1704.69,-435.43 r90 bottom
C335 "22nF" CC1005-0402 1492.13,-47.24 r270 bottom
C336 "22nF" CC1005-0402 1596.46,135.83 r270 bottom
C337 "100nF" CC1005-0402 1490.16,33.46 r270 bottom
C338 "100nF" CC1005-0402 1675.2,61.02 r270 bottom
C339 "100nF" CC1005-0402 1684,-305 r90 bottom
C340 "100nF" CC1005-0402 1595,-45 r180 bottom
C341 "100nF" CC1005-0402 1625.98,-104.33 r180 bottom
C342 "100nF" CC1005-0402 1594,-226 r180 bottom
C343 "100nF" CC1005-0402 1395,-156 r0 bottom
C344 "100nF" CC1005-0402 1557,-302 r180 bottom
C345 "100nF" CC1005-0402 1310.67,-174.59 r180 bottom
C346 "100nF" CC1005-0402 1488,-245 r270 bottom
C347 "100nF" CC1005-0402 1467,-122.91 r180 bottom
C348 "100nF" CC1005-0402 1684,-225 r270 bottom
C349 "1nF" CC1005-0402 1555.12,-122.05 r270 bottom
C350 "1nF" CC1005-0402 1592.52,19.68 r90 bottom
C351 "1nF" CC1005-0402 1604.33,-165.35 r90 bottom
C352 "1nF" CC1005-0402 1673.23,-21.65 r270 bottom
C381 "100nF" CC1005-0402 1520.08,-516.14 r180 top
C382 "100nF" CC1005-0402 1974.41,-208.66 r90 top
C389 "100nF" CC1005-0402 1928.35,50.79 r90 top
C390 "100nF" CC1005-0402 1581.1,352.76 r180 top
C393 "10uF" CC1608-0603 903.54,521.65 r270 bottom
C394 "10uF" CC1608-0603 903.61,524.86 r270 top
C395 "1nF" CC1005-0402 1078.74,555.12 r180 top
C396 "100nF" CC1005-0402 1208.66,385.83 r270 bottom
C397 "100nF" CC1005-0402 1208.66,385.83 r270 top
C398 "1uF" CC1005-0402 1199.61,-242.52 r0 top
C402 "22nF" CC1005-0402 1260.63,-237.8 r270 top
C403 "22nF" CC1005-0402 1172.44,-106.69 r90 top
C405 "1uF" CC1005-0402 1237.8,-83.86 r0 top
C406 "100nF" CC1005-0402 1246.85,217.72 r0 top
C407 "100nF" CC1005-0402 1626.38,-515.35 r0 top
C408 "100nF" CC1005-0402 1200,142.91 r270 top
C409 "100nF" CC1005-0402 1609.45,-658.66 r270 top
C410 "100nF" CC1005-0402 1641.34,386.22 r90 top
C411 "100nF" CC1005-0402 1995.08,-17.72 r0 top
C412 "100nF" CC1005-0402 2034.45,-164.37 r90 bottom
C413 "100nF" CC1005-0402 1654.33,-563.39 r0 top
C414 "10uF" CC1608-0603 877.48,378.94 r90 top
C415 "10uF" CC1608-0603 937.36,378.94 r90 top
C416 "10uF" CC1608-0603 821.02,378.94 r90 top
C417 "4.7uF" CC1608-0603 1135.83,458.66 r270 bottom
C420 "22nF" CC1005-0402 1866.14,292.32 r0 bottom
C421 "22nF" CC1005-0402 1141.73,76.77 r270 bottom
C422 "100nF" CC1005-0402 6655.86,-406.55 r0 top
C427 "220uF" D 783.46,750 r0 bottom
C428 "220uF" D 785.43,746.06 r0 top
C429 "22uF" CC2012-0805 529.53,712.6 r270 bottom
C430 "22uF" CC2012-0805 454.72,712.6 r90 top
C431 "22uF" CC2012-0805 454.72,712.6 r270 bottom
C432 "22uF" CC2012-0805 529.53,712.6 r270 top
CN1 "Tyco  1888250-1" TYCO_ETHERNET_1888250-1 6507.87,809.06 r90 top locked
CN2 "KX15-20K4DE" JAE_KX15_20P 824.8,0 r90 bottom
CN3 "BM02B" SH_CRIMP_1MM_2 4145.67,-887.8 r90 top
CN4 "UTCA_MCH_TONGUE3" UTCA_MCH_TONGUE2_3_4 0,0 r0 top
D1 "TS4148 RZ" CD1608-0603 4251.27,-849.56 r0 top
D2 "TS4148 RZ" CD1608-0603 4251.27,-790.58 r0 top
D3 "TS4148 RZ" CD1608-0603 907.48,-846.46 r0 bottom
D4 "TS4148 RZ" CD1608-0603 1052.11,-849.63 r0 bottom
D5 "BAT54A-G" SOT23 6369.11,-1007.2 r90 top
D6 "BAT54A-G" SOT23 6179.84,-1025.06 r180 bottom
D8 "BAV99" SOT-23 6498.72,-115.51 r0 top
D9 "BAT54A-G" SOT23 3291.34,1255.91 r90 top
D10 "BAT54A-G" SOT23 3116.14,1257.87 r90 top
D11 "LED" CD1608-0603 5404.15,-966.49 r180 top
D12 "LED" CD1608-0603 5404.15,-902.25 r180 top
D13 "LED" CD1608-0603 3806.42,-895.63 r180 top
D14 "LED" CD1608-0603 3806.42,-837.05 r180 top
D15 "BAV99" SOT-23 3381.54,-1277.5 r90 top
D16 "S2M-TP" DO-214AA/SMB-MCC 5259.28,1223.99 r270 top
FTG1 "Use only in PCB" FIDUCIAL_TOP_S100-200 6715.2,362.94 r270 bottom
FTG2 "Use only in PCB" FIDUCIAL_TOP_S100-200 6445.99,-1098.92 r270 bottom
FTG3 "Use only in PCB" FIDUCIAL_TOP_S100-200 4584.51,1151.24 r270 bottom
FTG4 "Use only in PCB" FIDUCIAL_TOP_S100-200 1476.99,1312.78 r270 bottom
FTG5 "Use only in PCB" FIDUCIAL_TOP_S100-200 528.92,-510.55 r270 bottom
FTG6 "Use only in PCB" FIDUCIAL_TOP_S100-200 2175.09,-881.25 r270 bottom
FTG7 "Use only in PCB" FIDUCIAL_TOP_S100-200 6208.11,1263.06 r90 top
FTG8 "Use only in PCB" FIDUCIAL_TOP_S100-200 5541.35,-803.04 r90 top
FTG9 "Use only in PCB" FIDUCIAL_TOP_S100-200 1478.82,1310.18 r90 top
FTG10 "Use only in PCB" FIDUCIAL_TOP_S100-200 4249.12,1201.16 r90 top
FTG11 "Use only in PCB" FIDUCIAL_TOP_S100-200 518.22,514.72 r90 top
FTG12 "Use only in PCB" FIDUCIAL_TOP_S100-200 2582.79,-1299.88 r90 top
IC1 "SN74LVT125D" SO-14 2949.02,-1289.25 r90 top
IC2 "DS1374U-33+" UMAX10 6759.96,-234.33 r180 bottom
IC3 "DS1374U-18+" UMAX10 1604.49,-732.72 r0 bottom
IC4 "VM53S3-25.000-2.5/-30+75" VCTCXO_VM53S 5272.26,453.22 r180 top
IC5 "AD5662B" SOT23-8 5613.78,375 r180 top
IC6 "AT91SAM9G45-CU" TFBGA324 5819.61,-891.2 r90 top
IC7 "FRETHE025" vs-705 5379.25,1020.12 r180 top
IC8 "AD5662B" SOT23-8 5512.36,647.28 r90 top
IC9 "ICS83023I" SOIC127P600X175-8N 4866.54,-96.6 r0 top
IC11 "ADCMP600BRJZ-R2" SOT23-5AL 6503.03,56.06 r90 top
IC12 "MC100LVEP14DT" 948E-02_N 4696.85,1216.54 r0 top
IC13 "CDCM61002RHBT" QFN32_POWERPAD 5133.86,767.72 r270 top locked
IC16 "AD9516-4BCPZ" QFN50P900X900X100-64M 4413.39,728.35 r90 top locked
IC17 "TMP100" SOT23A-6L 714.33,495.87 r270 top
IC18 "TMP100" SOT23A-6L 4875.98,968.5 r180 top
IC19 "TMP100" SOT23A-6L 3504.36,350.26 r180 bottom
IC20 "TMP100" SOT23A-6L 878.94,-472.44 r270 top
IC21 "DS90LV011ATMF" MF05A_N 3108.27,-812.99 r90 bottom
IC22 "FNETHE025" SPXO 3303.15,-728.35 r270 bottom
IC23 "IVT3200C" OSC_RAKON_IVT3200C 5217.4,375.26 r270 top
IC25 "AT45DB321D-MWU" 8MW_8CN3_Merge 6640.59,-898.15 r270 top
IC26 "SN74LVC1G32" SOT23-5AL 5592.73,-307.35 r180 top
IC28 "LM385M3-2.5" MF03A_N 5435.08,817.87 r0 bottom
IC30 "MT29F4G16ABCHC" VFBGA63 5568.13,32.12 r0 top locked
IC31 "MAX3232CDBR" SOP65P780X200-16N 4797.08,-1226.34 r180 bottom
IC32 "AP7173-SPG-13" SOIC127P600-8AL-ThermalPad 1696.85,1147.64 r0 top
IC33 "XC6VLX240T-1FF1156C" FF1156 3228.35,39.37 r270 top locked
IC34 "AP7173-SPG-13" SOIC127P600-8AL-ThermalPad 5067.8,1222.38 r90 top
IC35 "AP7173-SPG-13" SOIC127P600-8AL-ThermalPad 5526.86,1223.41 r90 top
IC36 "PC28F256P30BFA" BGA64C100P8X8_1300X1000X120 2116.14,677.17 r270 top
IC38 "MCP1802T-3002I/OT" SOT-23-OT5_N 5281.43,962.44 r0 bottom
IC39 "AP7173-SPG-13" SOIC127P600-8AL-ThermalPad 1696.85,787.4 r0 top
IC40 "FNETHE025" SPXO 5970.54,553.28 r180 bottom
IC41 "LAN8720A-CP" QFN50P400X400-24W4M 5823.82,721.39 r0 top
IC43 "CY7C1314KV18-250BZC" BGA165C100P11X15_1300X1500X140 1584.65,-133.86 r180 top
IC44 "MCP1802T-3002I/OT" SOT-23-OT5_N 5180.84,351.37 r0 bottom
IC45 "TPS51200DRCR" SON50P300X300X100-11N-R175X250 1078.74,458.66 r0 top
IC46 "TPS53126RGET" QFN50P400X400X100-25N-S255 974.41,1035.43 r90 top
IC47 "TPS53126RGET" QFN50P400X400X100-25N-S255 942.91,-1005.91 r270 top
IC48 "AP7173-SPG-13" SOIC127P600-8AL-ThermalPad 5842.86,1220.73 r90 top
IC50 "MT47H32M16HR-25E:G" BGA90C80P9X15_1250X800X120 6081.14,89.71 r90 top
J1 "QSS-048-01-L-D-DP" QSS-048-01-X-D-DP-A 3049.21,1181.1 r0 bottom locked
J2 "QSS-048-01-L-D-DP" QSS-048-01-X-D-DP-A 3192.91,-1187.01 r180 bottom locked
J3 "QSS-016-01-L-D-DP" QSS-016-01-X-D-DP-A 594.49,0 r90 top
J4 "DC10A" dc-10 1736.22,-822.83 r270 top
L1 "2200R@100MHz Ferrite Bead" 0805 6581.77,-615.28 r90 bottom
L2 "220R@100MHz Ferrite Bead" 0603 5640.78,491.65 r0 top
L3 "220R@100MHz Ferrite Bead" 0603 5546.77,848.35 r90 top
L4 "220R@100MHz Ferrite Bead" 0603 3274.61,74.53 r180 bottom
L5 "220R@100MHz Ferrite Bead" 0603 3384.49,15.32 r90 bottom
L6 "220R@100MHz Ferrite Bead" 0603 4949.12,846.51 r90 top
L7 "220R@100MHz Ferrite Bead" 0603 5076.79,17.65 r90 top
L8 "220R@100MHz Ferrite Bead" 0603 4242.13,411.42 r270 top
L9 "220R@100MHz Ferrite Bead" 0603 5523.62,509.02 r180 top
L10 "220R@100MHz Ferrite Bead" 0603 6415.95,1079.72 r270 bottom
L11 "IHLP2525CZER1R5M01" IHLP2525 1222.44,1003.94 r270 bottom
L12 "220R@100MHz Ferrite Bead" 0603 5638.23,755.94 r270 top